# Altium PCB OpenMVX.pcbdoc
Units mil, origin at the board's own origin, x right, y up, seen from the top; angles counter-clockwise.
Board outline 1400 x 1750 mil, 2 copper layers (Top Layer, Bottom Layer); 59 components, 76 nets, 291 pads, 84 vias.
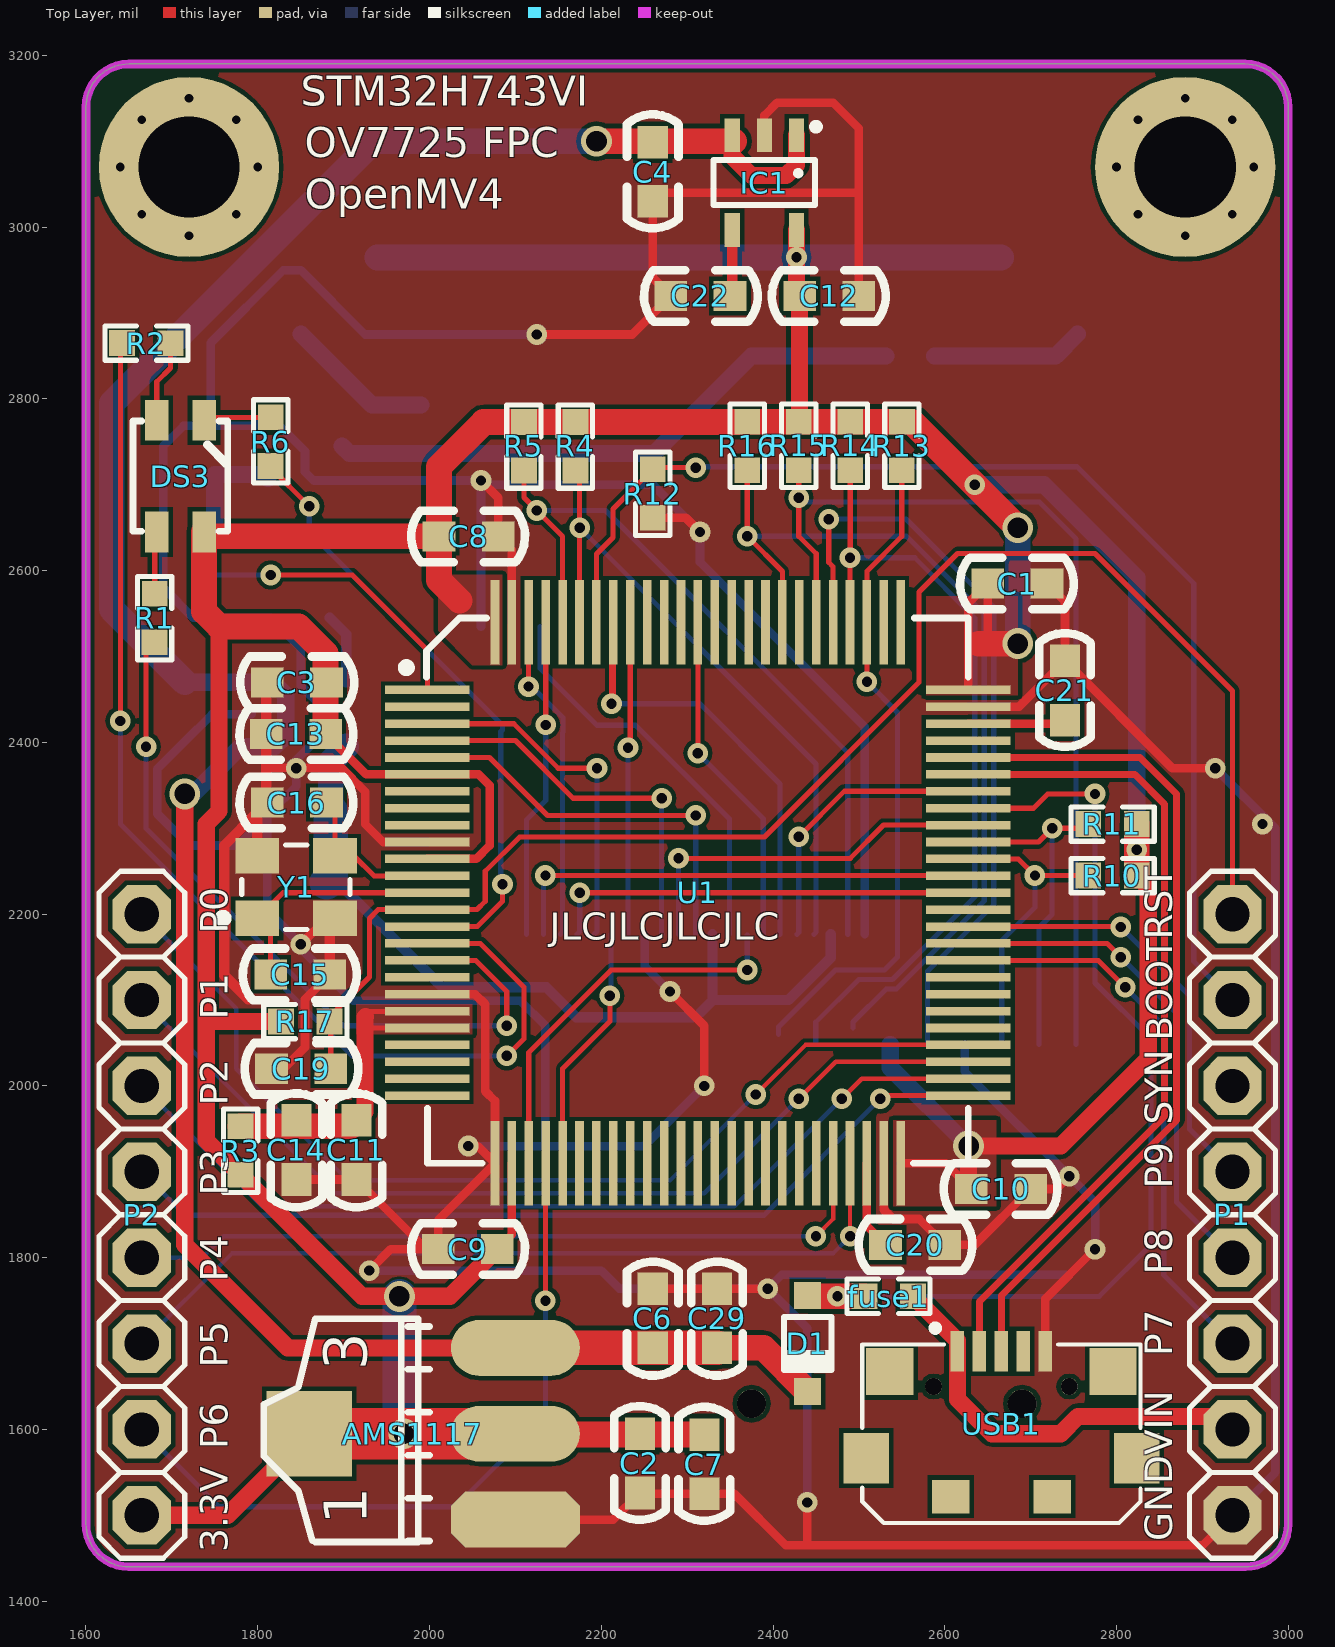
[diagram p0: Top Layer view]
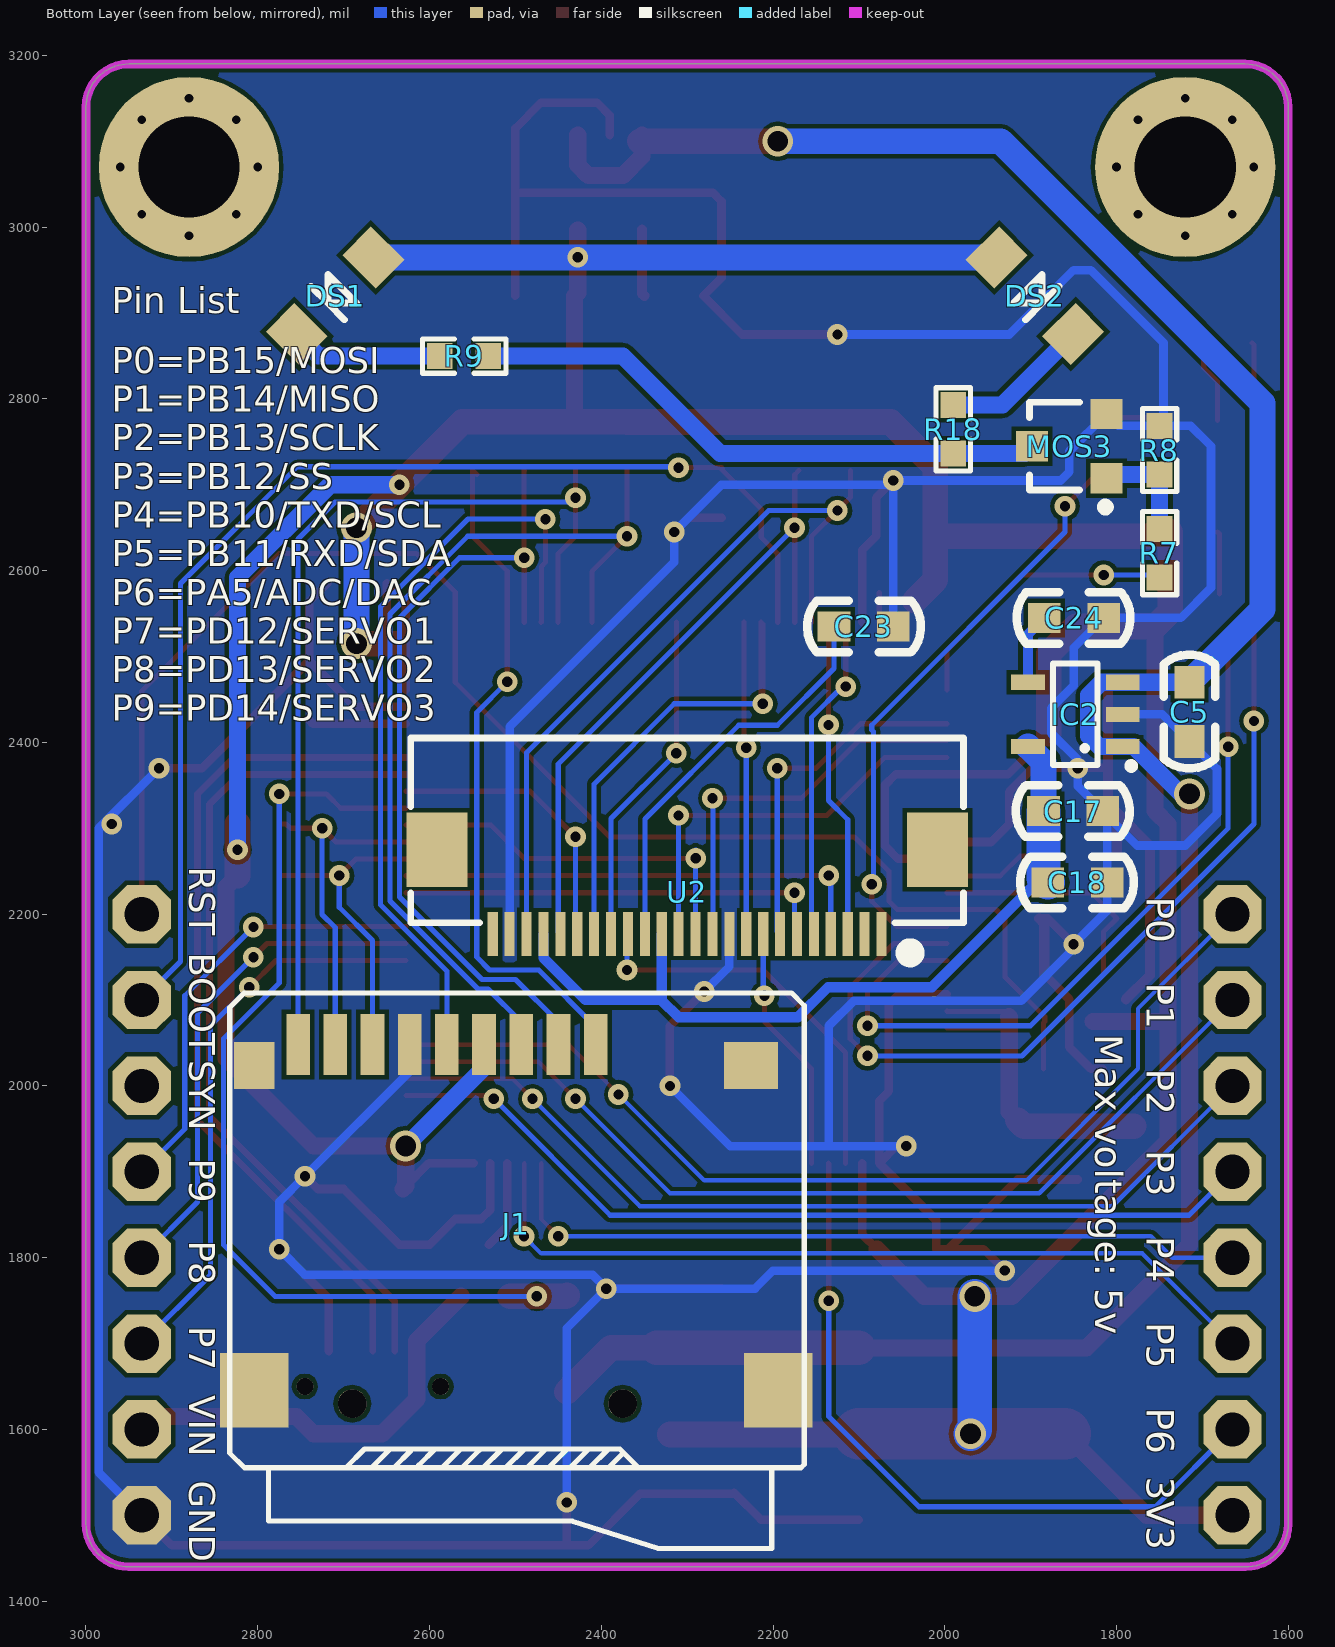
[diagram p1: Bottom Layer view, seen from below]
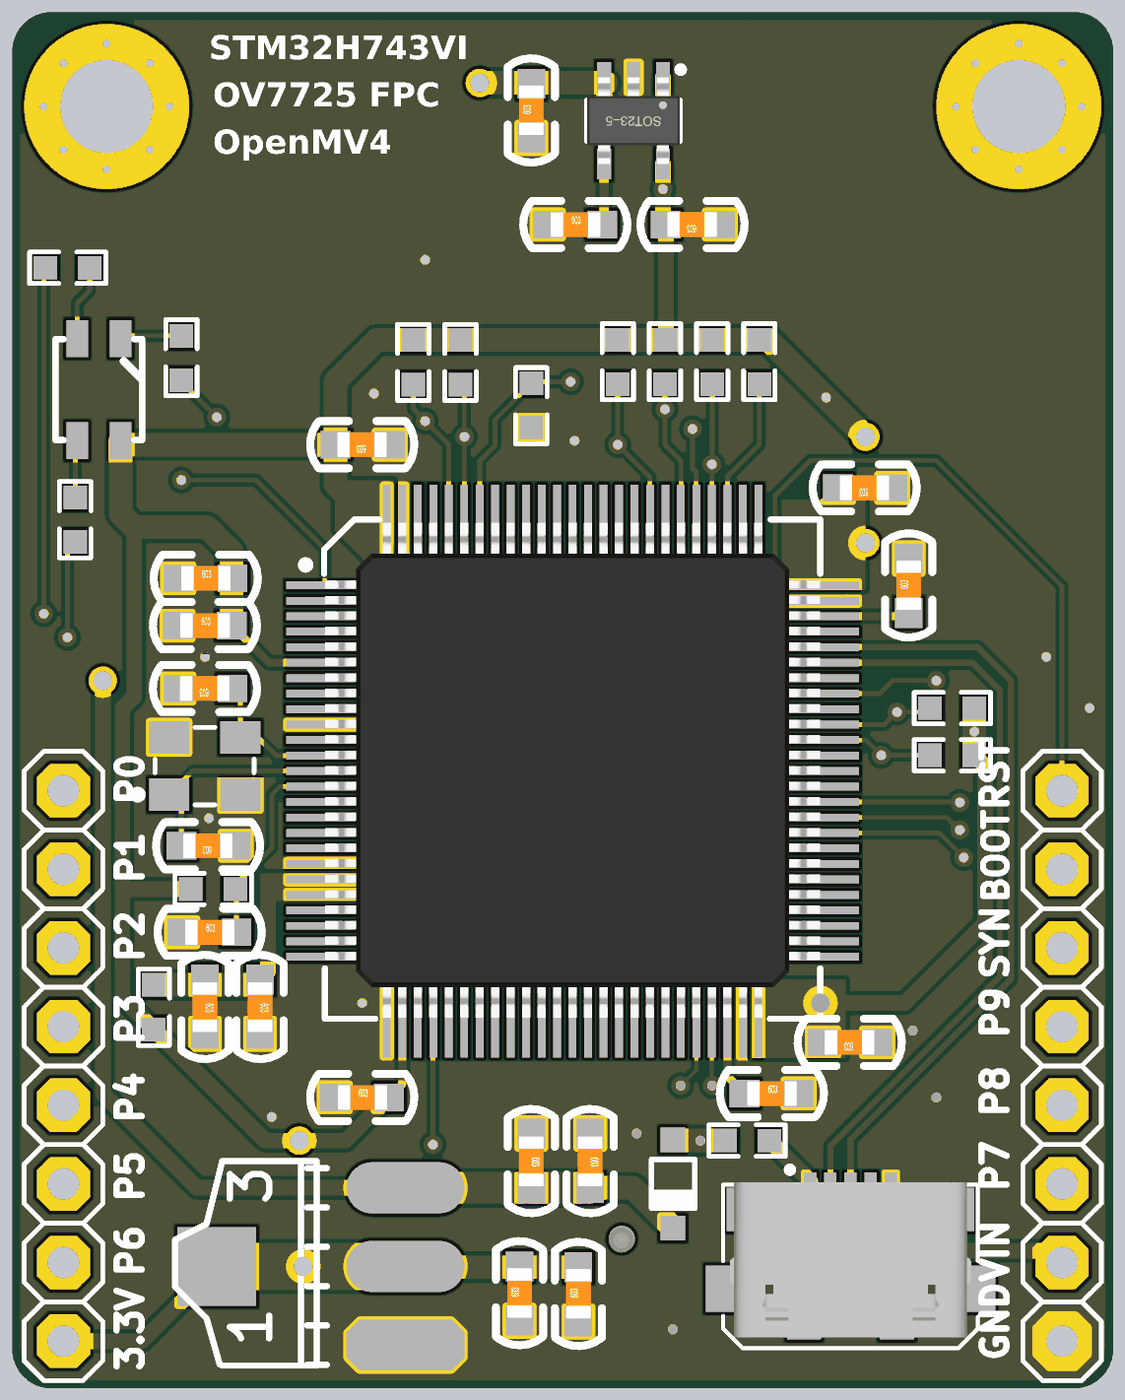
[diagram p2: 3D render of the assembled board from above, using the file's embedded part models]
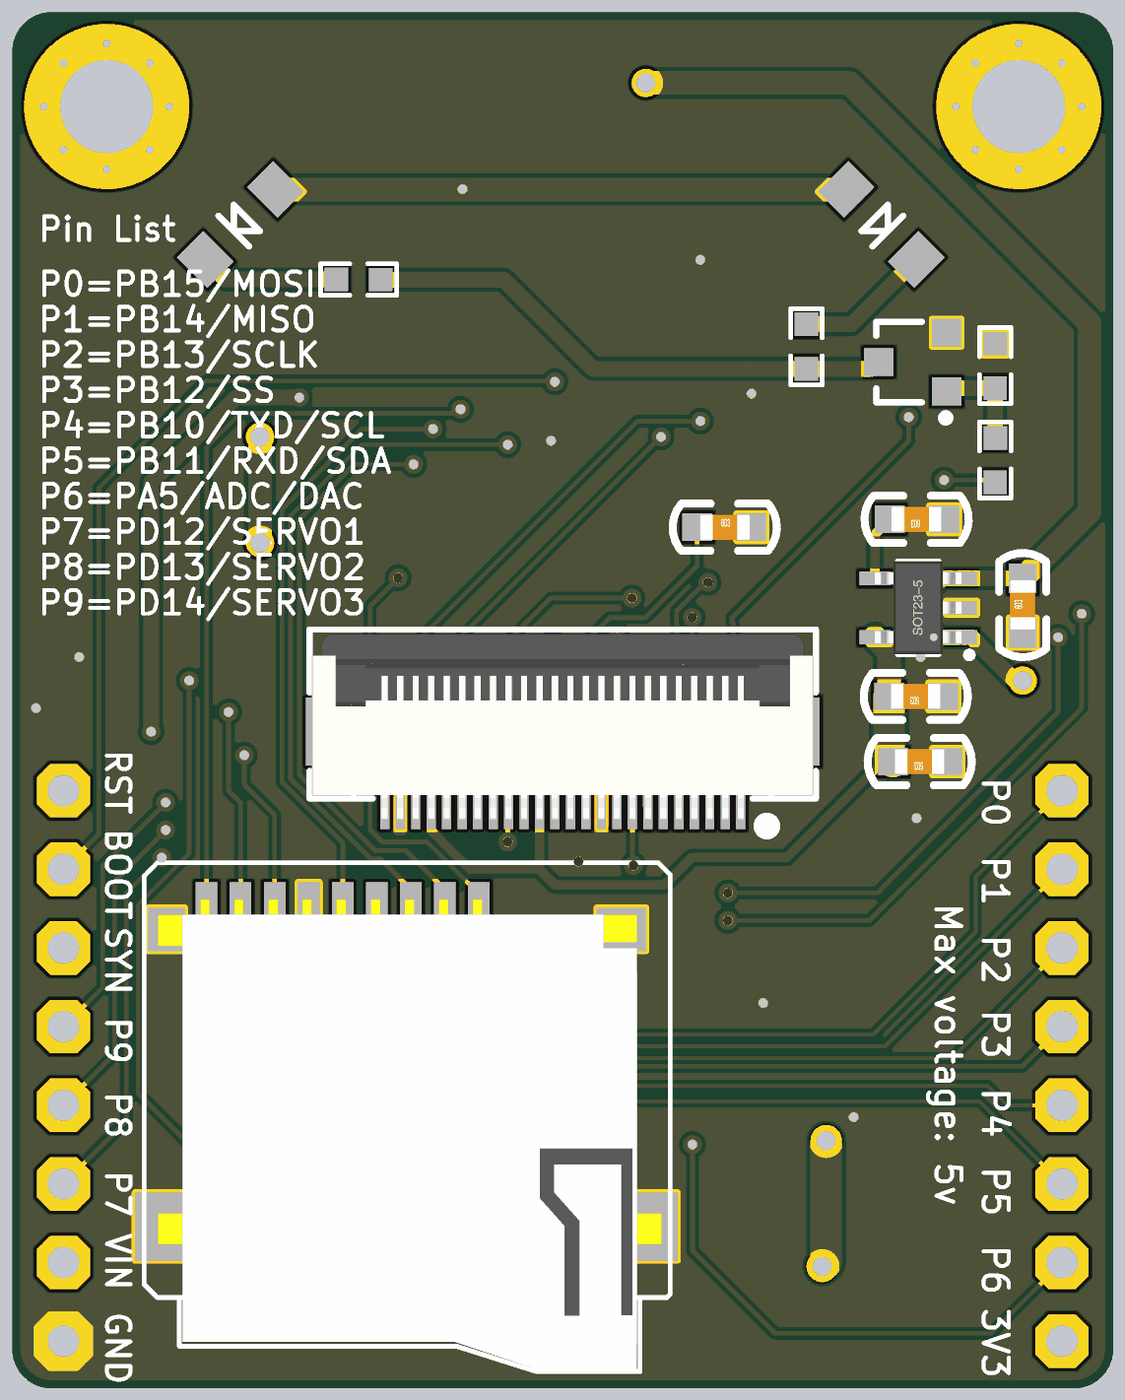
[diagram p3: 3D render of the assembled board from below, using the file's embedded part models]

## Layer stack, top to bottom
Top Solder: solder mask 0.4, Solder Resist, Dk 3.5
Top Layer: signal copper 1.4
Dielectric 1: dielectric 12.6, FR-4, Dk 4.8
Bottom Layer: signal copper 1.4
Bottom Solder: solder mask 0.4, Solder Resist, Dk 3.5

## Board outline
1600,1490 ccw(c1650,1490) 1650,1440 2950,1440 ccw(c2950,1490) 3000,1490 3000,3140 ccw(c2950,3140) 2950,3190 1650,3190 ccw(c1650,3140) 1600,3140

## Design rules (kind name [scope] priority, off if disabled: settings)
Clearance [All] p1: gap=5 ignorepadtopadclearanceinfootprint=FALSE except(0: Arc-Hole Track-Hole SMDPad-Hole THPad-Hole Via-Hole Fill-Hole Poly-Hole Region-Hole Text-Hole)
HoleSize [All] p1: absolutevalues=TRUE maxlimit=240 minlimit=1 maxpercent=80.000 minpercent=20.000
PolygonConnect [All] p1: connectstyle=Direct reliefconductorwidth=10 reliefentries=4 polygonreliefangle="90 Angle" airgapwidth=10
RoutingVias [All] p1: holewidth=12 width=24 viastyle="Through Hole" minholewidth=12 minwidth=24 maxholewidth=24 maxwidth=36
SolderMaskExpansion [All] p1: expansion=4
Width [All] p1: maxlimit=60 minlimit=5 preferedwidth=5
29 further rules are at their usual default settings.

## Classes and differential pairs
net class NewClass: GND

## Components (designator, comment, footprint, x,y, rotation, side; value= is the part's Value field where it differs from the comment)
AMS1117 "AMS1117-3.3" AMS1117 2099.94,1494.97 r90 top
C1 "104" C_0603 2719,2585 r180 top
C2 "10UF" C_0603 2245,1526 r90 top
C3 "10UF" C_0603 1811,2470 r0 top
C4 "10UF" C_0603 2260,3030 r90 top
C5 "1OUF" C_0603 1715,2401 r90 bottom
C6 "10UF" C_0603 2260,1764 r270 top
C7 "104" C_0603 2320,1525 r90 top
C8 "104" C_0603 2080,2640 r180 top
C9 "104" C_0603 2010,1810 r0 top
C10 "104" C_0603 2700,1880 r180 top
C11 "10UF" C_0603 1915,1960 r270 top
C12 "10UF" C_0603 2500,2920 r180 top
C13 "104" C_0603 1810,2410 r0 top
C14 "104" C_0603 1845,1960 r270 top
C15 "12PF" C_0603 1884,2130 r180 top
C16 "12PF" C_0603 1880,2330 r180 top
C17 "10UF" C_0603 1816,2320 r0 bottom
C18 "104" C_0603 1811,2236.93 r0 bottom
C19 "104" C_0603 1816,2020 r0 top
C20 "2.2UF" C_0603 2531,1815 r0 top
C21 "2.2UF" C_0603 2740,2426 r90 top
C22 "103" C_0603 2281,2920 r0 top
C23 "104" C_0603 2129,2535 r180 bottom
C24 "103" C_0603 1815,2545 r0 bottom
C29 "104" C_0603 2335,1764 r270 top
D1 "1N5819" SOD-323 2440,1700 r90 top
DS1 "LED" LED-1206 2710,2920 r315 bottom
DS2 "LED" LED-1206 1895,2920 r225 bottom
DS3 "3528 RGB LED" "3528/1210RGB LED" 1710,2710 r0 top
fuse1 "fuse0603" 0603P 2535,1755 r180 top
IC1 "XC6204B332MR" SOT23-5L 2390,3051.93 r180 top
IC2 "XC6204B332MR" SOT23-5L 1847.95,2432.6 r90 bottom
J1 "Micro SD" "Micro SD" 2804.17,1645.75 r180 bottom
MOS3 "AO3400" SOT-23 1850,2745 r90 bottom
P1 "Header 8" 1X08 2935,1850 r270 top
P2 "Header 8" 1X08 1665,1850 r270 top
R1 "220R" 0603P 1680,2545 r270 top
R2 "220R" 0603P 1670,2865 r0 top
R3 "0R" 0603P 1780,1925 r270 top
R4 "4K7" 0603P 2170,2745 r270 top
R5 "4K7" 0603P 2110,2745 r270 top
R6 "220R" 0603P 1815,2750 r90 top
R7 "220R" 0603P 1750,2620 r90 bottom
R8 "10K" 0603P 1750,2740 r90 bottom
R9 "10R" 0603P 2560,2850 r180 bottom
R10 "10K" 0603P 2795,2245 r0 top
R11 "10K" 0603P 2795,2305 r0 top
R12 "10K" 0603P 2260,2690 r270 top
R13 "10K" 0603P 2550,2745 r90 top
R14 "10K" 0603P 2490,2745 r90 top
R15 "10K" 0603P 2430,2745 r90 top
R16 "10K" 0603P 2370,2745 r90 top
R17 "10K" 0603P 1855,2075 r0 top
R18 "10R" 0603P 1990,2765 r270 bottom
U1 "STM32H743LQFP100" LQFP-100PIN 1997.56,2461.18 r0 top
U2 "OV7725_FPC" "FPC0.5 2H-WS-24P" 2300,2275 r0 bottom
USB1 "USB-5P" MICRO_USB 2666,1691 r0 top
Y1 "12Mhz" XTAL3225 1799.45,2195 r0 top

## Footprints (in the part's own frame and the unit in brackets; to place one, negate y for a bottom-side part, rotate by r counter-clockwise, add the part's x,y. Pads: shape width x height; smd on the part's side, far side on the other; paste and mask are expansions set on the pad)
1X08 [mil]
  oct 68x68 hole 40: 1(-350,0) 2(-250,0) 3(-150,0) 4(-50,0) 5(50,0) 6(150,0) 7(250,0) 8(350,0)
  silkscreen extent -400,-50 400,50
0603P [mil]
  rect 30x30 smd: 1(-28,0) 2(28.5,-0.06)
  silkscreen extent -48,-20 49,20
"3528/1210RGB LED" [mm]
  rect 0.7x1.2 smd: 1(0.7,1.65) 2(0.7,-1.65) 3(-0.7,-1.65) 4(-0.7,1.65)
  silkscreen extent -1.4,-1.63 1.4,1.63
AMS1117 [mil]
  oct 65x150 smd: 1(0.03,-0.06)
  oval 65x150 smd: 2(100.03,-0.06) 3(200.03,-0.06)
  rect 100x100 smd: 4(100.03,239.94)
  silkscreen extent -26,100 234,293
C_0603 [mil]
  rect 38x35 smd: 1(0,0) 2(69,0)
  silkscreen extent -31,-30 101,30, body extent 4,-16 67,16, height 12
"FPC0.5 2H-WS-24P" [mm] "长：16.2mm，宽：5.2mm，高：2mm"
  rect 1.8x2.2 smd: 0(-7.4,0) 0(7.4,0)
  rect 0.3x1.3 smd: 1(-5.75,2.497) 2(-5.25,2.497) 3(-4.75,2.497) 4(-4.25,2.497) 5(-3.75,2.497) 6(-3.25,2.497) 7(-2.75,2.497) 8(-2.25,2.497) 9(-1.75,2.497) 10(-1.25,2.497) 11(-0.75,2.497) 12(-0.25,2.497) 13(0.25,2.497) 14(0.75,2.497) 15(1.25,2.497) 16(1.75,2.497) 17(2.25,2.497) 18(2.75,2.497) 19(3.25,2.497) 20(3.75,2.497) 21(4.25,2.497) 22(4.75,2.497) 23(5.25,2.497) 24(5.75,2.497)
  silkscreen extent -8.18,-3.3 8.18,3.23, body extent -8.1,-3.15 8.1,2.85, height 2
LED-1206 [mm]
  rect 1.2x1.4 smd: 1(-1.6,0) 2(1.6,0)
  silkscreen extent -0.3,-0.7 0.3,0.7
LQFP-100PIN [mm]
  rect 2.5x0.254 smd: 1(0,0) 2(0,-0.5) 3(0,-1) 4(0,-1.5) 5(0,-2) 6(0,-2.5) 7(0,-3) 8(0,-3.5) 9(0,-4) 10(0,-4.5) 11(0,-5) 12(0,-5.5) 13(0,-6) 14(0,-6.5) 15(0,-7) 16(0,-7.5) 17(0,-8) 18(0,-8.5) 19(0,-9) 20(0,-9.5) 21(0,-10) 22(0,-10.5) 23(0,-11) 24(0,-11.5) 25(0,-12) 51(16,-12) 52(16,-11.5) 53(16,-11) 54(16,-10.5) 55(16,-10) 56(16,-9.5) 57(16,-9) 58(16,-8.5) 59(16,-8) 60(16,-7.5) 61(16,-7) 62(16,-6.5) 63(16,-6) 64(16,-5.5) 65(16,-5) 66(16,-4.5) 67(16,-4) 68(16,-3.5) 69(16,-3) 70(16,-2.5) 71(16,-2) 72(16,-1.5) 73(16,-1) 74(16,-0.5) 75(16,0)
  rect 0.254x2.5 smd: 26(2,-14) 27(2.5,-14) 28(3,-14) 29(3.5,-14) 30(4,-14) 31(4.5,-14) 32(5,-14) 33(5.5,-14) 34(6,-14) 35(6.5,-14) 36(7,-14) 37(7.5,-14) 38(8,-14) 39(8.5,-14) 40(9,-14) 41(9.5,-14) 42(10,-14) 43(10.5,-14) 44(11,-14) 45(11.5,-14) 46(12,-14) 47(12.5,-14) 48(13,-14) 49(13.5,-14) 50(14,-14) 76(14,2) 77(13.5,2) 78(13,2) 79(12.5,2) 80(12,2) 81(11.5,2) 82(11,2) 83(10.5,2) 84(10,2) 85(9.5,2) 86(9,2) 87(8.5,2) 88(8,2) 89(7.5,2) 90(7,2) 91(6.5,2) 92(6,2) 93(5.5,2) 94(5,2) 95(4.5,2) 96(4,2) 97(3.5,2) 98(3,2) 99(2.5,2) 100(2,2)
  silkscreen extent -0.75,-14 16,2.12, body extent 0,-13.97 16,2.03, height 1.6
"Micro SD" [mm]
  round 0.85 hole 0.85 unplated: 0(2.9,-0.4) 0(10.9,-0.4)
  rect 0.7x1.8 smd: 1(10.1,10.227) 2(9,10.227) 3(7.9,10.227) 4(6.8,10.227) 5(5.7,10.227) 6(4.6,10.227) 7(3.5,10.227) 8(2.4,10.227) 9(1.3,10.227)
  rect 2.032x2.2 smd: 6(0,0) 6(15.5,0)
  rect 1.2x1.4 smd: 6(0,9.6)
  rect 1.6x1.4 smd: 6(14.7,9.6)
  silkscreen extent -0.72,-4.68 16.27,11.75, body extent -0.27,-4.63 16,10.57, height 1.8
MICRO_USB [mm]
  rect 1.35x1.5 smd: 0(-4,-3.16) 0(4,-3.16)
  rect 1.4x1.4 smd: 0(-3.3,-0.6) 0(3.3,-0.6)
  round 0.5 hole 0.5 paste+0 mask+0: 0(-2.007,-1.041) 0(2.007,-1.041)
  rect 1.1x1 smd: 0(-1.5,-4.3) 0(1.5,-4.3)
  rect 0.4x1.2 smd: 1(-1.3,0) 2(-0.65,0) 3(0,0) 4(0.65,0) 5(1.3,0)
  silkscreen extent -4.11,-5.08 4.11,0.79, body extent -3.9,-4.72 3.9,0.28, height 2.83
SOD-323 [mm]
  rect 0.8x0.8 smd: 1(1.422,0) 2(-1.422,0)
  silkscreen extent -0.79,-0.74 0.79,0.69
SOT23-5L [mm]
  rect 0.45x1 smd: 1(-0.95,-1.4) 2(0,-1.4) 3(0.95,-1.4) 4(0.95,1.4) 5(-0.95,1.4)
  silkscreen extent -1.6,-1.73 1.5,0.66, body extent -1.5,-1.4 1.5,1.4, height 1.15
SOT-23 [mm] "SOT-23; 3 Leads; Body 3.0 x 2.5 mm, inc. leads (LxW max)"
  rect 0.9x0.95 smd: 1(-0.95,-0.972) 2(0.95,-0.972) 3(0,1.226)
  silkscreen extent -1.93,-1.06 1.3,1.3
XTAL3225 [mm]
  rect 1.3x1.05 smd: 1(0,0) 2(2.3,0) 3(2.3,1.85) 4(0,1.85)
  silkscreen extent -1.14,-0.33 2.74,2.17

## Part data
AMS1117: library part AMS1117
C1 C2 C3 C4 C5 C6 C7 C8 C9 C10 C11 C12 C13 C14 C15 C16 C17 C18 C19 C20 C21 C22 C23 C24 C29: library part C_0603
D1: library part D
DS3: library part "3528RGB LED"
fuse1: library part FUSE
IC1 IC2: library part "LDO XC6204", "LDO"
J1: "Micro SD卡"
MOS3: library part MOS-N, "AO3400A"
P1 P2: "Header, 8-Pin"
R1 R2 R3 R4 R5 R6 R7 R8 R9 R10 R11 R12 R13 R14 R15 R16 R17 R18: library part R
U2: library part "OV7725 FPC 24P 0.5MM"
USB1: "微型USB母座"
Y1: library part XTAL_3225, "3225贴片无源晶振"

## Free pads (board coordinates)
  round 210 hole 118.11: 0(1720,3070) 0(2880,3070)

## Via types
v1: diameter 24, hole 12, Top Layer to Bottom Layer, tented both sides, 61 vias
v2: diameter 18, hole 10, Top Layer to Bottom Layer, 16 vias
v3: diameter 36, hole 24, Top Layer to Bottom Layer, 7 vias

## Nets (pads, with @x,y where several pads share a name; then routed paths per layer and width w, separated by ;. In a path a pad name is that pad's centre, name@x,y a point inside that pad or via, vN(x,y) a via of type N, cw(c..) or ccw(c..) an arc to the next point about the centre after c; other vN are vias at no path point)
3V3: AMS1117.2 AMS1117.4 C1.2 C2.2 C3.2 C7.2 C8.2 C9.2 C10.2 C12.2 C13.2 DS1.1 DS2.1 DS3.2 IC1.5 J1.4 P2.8 R3.2 R4.1 R5.1 R10.2 R11.2 R13.2 R14.2 R15.2 R16.2 R17.1 U1.6 U1.11 U1.27 U1.50 U1.75 U1.100 | length 6735.1
  Top Layer w6: U1.100 U1.100@2076.3,2574.7
  Top Layer w10: C13.2 1926.24,2362.76 U1.6 2057.24,2362.76 2070,2350 2070,2280 2054.33,2264.33 U1.11 ; C9.2 2095.98,1826.98 U1.27 ; U1.50 2601,1910 C10.2@2627.72,1883.28 ; U1.75 2627.48,2562.48 C1.2 2650,2520
  Top Layer w20: P2.8 1765,1500 AMS1117.4 ; 1755,2535 1755,2320 1740,2305 1740,2075 ; R17.1 1740,2075 ; C9.2 2024,1755 v3(1965,1755) 1921.44,1755 R3.2 1740,1936.44 1740,2075 ; IC1.5 v1(2427.4,2965) 2427.4,2923.6 C12.2 2431,2774.44 R15.2 ; C10.2 2627.72,1883.28 v3(2627.72,1930) 2735,1930 2837,2032 2837,2231.44 R10.2
  Top Layer w30: DS3.2 DS3.2@1737.56,2644.16 ; C13.2 1879,2503.6 1847.6,2535 1755,2535 1737.56,2552.44 DS3.2@1737.56,2644.16 ; 2035,2565 2011,2589 C8.2 ; AMS1117.2 2101,1594 C7.2 ; 2640,2515 v3(2685,2515) ; v3(2685,2650) v1(2635,2700) 2561.5,2773.5 R13.2 R14.2 R15.2 R16.2 2369.56,2773 R4.1 R5.1 2063,2773 2011,2721 C8.2 ; R10.2 v1(2823.5,2275) R11.2 ; DS3.2@1737.56,2644.16 1741.72,2640 C8.2
  Top Layer w60: AMS1117.4 v3(1970,1595) AMS1117.2
  Bottom Layer w20: J1.4 2536.46,2021.27 v3(2627.72,1930) ; v1(2635,2700) 2715.46,2700 2823.5,2591.96 v1(2823.5,2275)
  Bottom Layer w30: DS2.1 DS1.1 ; v3(2685,2515) v3(2685,2650)
  Bottom Layer w40: v3(1965,1755) 1965,1600 v3(1970,1595)
3V3_OV: C17.2 C18.2 IC2.5 U2.14 U2.21 | length 953.1
  Bottom Layer w12: C18.2 1893.07,2236.93 2015,2115 2135.95,2115 2170.95,2080 2310,2080 2330,2100 ; U2.14 2329.53,2100.47 2330,2100 ; U2.21 2467.32,2149.33 2418,2100 2330,2100
  Bottom Layer w30: C17.2 1885,2377.13 IC2.5
  Bottom Layer w40: C18.2 1885,2241.93 C17.2
5V_IN: fuse1.1 P1.7 USB1.1 | length 492.6
  Top Layer w20: fuse1.1 2614.82,1703.18 USB1.1 2614.82,1635.18 2655,1595 2735,1595 2755,1615 2920,1615 P1.7
5V_VCC: AMS1117.3 C4.2 C5.2 C6.2 C29.2 D1.2 IC1.1 IC1.3 IC2.1 IC2.3 | length 2997.7
  Top Layer w20: v3(1715,2340) 1715,1815 1835,1695 AMS1117.3 ; IC1.3 2352.6,3100 2352.6,3082.4 2375,3060 2415,3060 2427.4,3072.4 IC1.1
  Top Layer w30: v3(2194.45,3100) 2352.6,3100 IC1.3@2355,3100 ; C29.2 2389,1695 D1.2
  Top Layer w40: AMS1117.3 C6.2 C29.2
  Bottom Layer w20: v3(1715,2340) 1725,2340 1780.2,2395.2 IC2.1 1820.2,2395.2 1832.6,2407.6 1832.6,2455 1817.6,2470 IC2.3 C5.2
  Bottom Layer w30: C5.2 1630,2555 1630,2795 1935,3100 v3(2194.45,3100)
BOOT0: P1.2 R12.1 U1.94 | length 1397
  Top Layer w6: U1.94 2194.41,2619.41 2213.7,2638.7 2213.7,2671.7 R12.1 ; R12.1@2259,2719 2260,2720 v1(2310,2720)
  Bottom Layer w6: v1(2310,2720) 2311,2721 2754,2721 2890,2585 2890,2145 P1.2
DAC: P2.7 U1.29 | length 845.9
  Top Layer w6: v1(2135,1750) 2135,1909.65 U1.29
  Bottom Layer w6: P2.7 1755,1510 2030,1510 2135,1615 v1(2135,1750)
DCMI_CLK: U1.67 U2.12 | length 461.6
  Top Layer w6: v1(2290,2265) 2490,2265 2528.7,2303.7 U1.67
  Bottom Layer w6: v1(2290,2265) 2290,2274.69 2290.16,2274.84 U2.12
DCMI_D0: U1.63 U2.6 | length 502
  Top Layer w6: v1(2175,2225) v1(2175,2225) U1.63
  Bottom Layer w6: U2.6 2175,2179.65 v1(2175,2225)
DCMI_D1: U1.64 U2.4 | length 561.9
  Top Layer w6: v1(2135,2245) 2627.13,2245 U1.64
  Bottom Layer w6: U2.4 2132.68,2242.68 v1(2135,2245)
DCMI_D2: U1.97 U2.3 | length 372.5
  Top Layer w6: v1(2135.35,2420.35) U1.97
  Bottom Layer w6: U2.3 2112.99,2310 2135.35,2332.36 v1(2135.35,2420.35)
DCMI_D3: U1.98 U2.5 | length 383.3
  Top Layer w6: v1(2115.35,2465) 2115.35,2539.61 U1.98
  Bottom Layer w6: v1(2115.35,2465) 2118.99,2465 2155.35,2428.64 2155.35,2412.07 2155,2411.72 2155,2179.33 U2.5
DCMI_D4: U1.3 U2.7 | length 413.6
  Top Layer w6: U1.3 2098.19,2421.81 2150,2370 v1(2195,2370)
  Bottom Layer w6: U2.7 2195,2179.96 v1(2195,2370)
DCMI_D5: U1.92 U2.9 | length 364.3
  Top Layer w6: v1(2231.1,2393.9) 2233.78,2396.58 U1.92
  Bottom Layer w6: U2.9 v1(2231.1,2393.9)
DCMI_D6: U1.4 U2.11 | length 459.4
  Top Layer w6: U1.4 2100,2402.13 2167.13,2335 v1(2270.47,2335)
  Bottom Layer w6: U2.11 2270,2177.17 2270,2334.53 v1(2270.47,2335)
DCMI_D7: U1.5 U2.13 | length 478.7
  Top Layer w6: U1.5 2069.98,2382.44 2137.42,2315 v1(2310,2315)
  Bottom Layer w6: U2.13 2310,2176.85 v1(2310,2315)
DCMI_FSIN: P1.3
DCMI_HSYNC: U1.28 U2.16 | length 463.7
  Top Layer w6: U1.28 2115.67,2038.95 2211.72,2135 v1(2370,2135)
  Bottom Layer w6: v1(2370,2135) U2.16@2370,2175.59
DCMI_PCLK: U1.30 U2.8 | length 289.5
  Top Layer w6: U1.30 2155.04,2020.04 2210,2075 v1(2210,2105)
  Bottom Layer w6: v1@2211.42,2105 U2.8
DCMI_PWDN: U1.88 U2.17 | length 394.7
  Top Layer w6: v1(2312.52,2387.48) U1.88
  Bottom Layer w6: v1(2312.52,2387.48) 2388.58,2311.42 U2.17
DCMI_RST: U1.69 U2.19 | length 333.6
  Top Layer w6: v1(2430,2290) 2483.07,2343.07 U1.69
  Bottom Layer w6: U2.19 2430,2178.74 v1(2430,2290)
DCMI_VSYNC: U1.93 U2.18 | length 602.3
  Top Layer w6: v1@2210,2445 v1@2212,2447 ; v1(2212,2445) v1@2212,2447 ; v1@2212,2447 2212,2537.83 U1.93 2214.09,2449.09 v1@2212,2447
  Bottom Layer w6: v1(2212,2445) 2315,2445 2408.27,2351.73 U2.18
EXPST: U1.55
FREX: U1.56
FS_DM: U1.70 USB1.2 | length 969.2
  Top Layer w8: U1.70 2821.24,2362.76 2856,2328 2856,1964.38 2640.41,1748.79 USB1.2
FS_DP: U1.71 USB1.3 | length 993.6
  Top Layer w8: U1.71 2827.56,2382.44 2870,2340 2870,1960 2666,1756 USB1.3
GND: AMS1117.1 C1.1 C2.1 C3.1 C4.1 C5.1 C6.1 C7.1 C8.1 C9.1 C10.1 C11.2 C12.1 C13.1 C14.2 C15.1 C16.2 C17.1 C18.1 C19.1 C20.2 C21.2 C22.1 C23.2 C24.1 C29.1 IC1.2 IC2.2 J1.6 MOS3.2 P1.8 R8.2 R12.2 U1.10 U1.19 U1.26 U1.49 U1.74 U1.99 U2.10 U2.23 USB1.5 Y1.2 Y1.4 | length 11200.3
  Top Layer w10: 1810,2370.5 1897.29,2370.5 1925,2342.79 1925,2305 1945.98,2284.02 U1.10 ; C19.1 1830,2020 1855,2045 1855,2101 C15.1 ; C14.2 C11.2 C9.1@1996,1810 ; v1(1850,2165) 1880,2195 Y1.2 ; v1(1930,1785) 1955,1810 C9.1@1996,1810 ; U1.19 2053.15,2106.85 2065,2095 2065,1993.89 2076.3,1982.59 U1.26 ; v1(2045,1930) 2056.3,1930 U1.26 ; v1(2060,2705) 2080,2685 C8.1 2095.98,2624.02 U1.99 ; AMS1117.1 2214,1495 C2.1 2246,1525 C7.1 2355,1525 2415,1465 2440,1465 ; v1(2125,2875) 2236,2875 C22.1 2260,2941 C4.1 2270,3040 2500,3040 ; R12.2 2298.5,2661.5 v1(2315,2645) ; C6.1 C29.1 v1(2394,1764) ; v1(2280,2110) 2320,2070 v1(2320,2000) ; IC1.2 2390,3130 2405,3145 2470,3145 2500,3115 2500,3040 ; v1(2440,1515) 2440,1465 ; C12.1 2500,3040 ; U1.49 2529.06,1855.94 2540,1845 2570,1845 C20.2 2635,1815 C10.1 2730,1880 v1(2745,1895) ; U1.74 2686.5,2441.5 C21.2 ; USB1.5 2717.18,1752.18 v1(2775,1810) ; C1.1 2740,2564 C21.2 ; v1(2915,2370) 2865,2370 C21.2 ; P1.8 2900,1465 2440,1465 ; C9.1@1996,1810 C9.1 2010,1843.7 U1.26
  Top Layer w12: 1789,2101 1761,2129 1761,2280 C16.2@1799.45,2318.45 ; Y1.4 C16.2@1799.45,2318.45 ; C3.1 1810,2469 C13.1 1810,2370.5 1810,2331 C16.2 C16.2@1799.45,2318.45 ; C15.1 1884,2189 Y1.2
  Bottom Layer w10: IC2.2 1746.6,2432.6 C5.1 1683,2369 1683,2317 1720,2280 1776,2280 C17.1@1811,2315 ; v1(1930,1785) 2200,1785 2221,1764 v1(2394,1764) ; v1(2045,1930) 2135,1930 ; C23.2 2060,2700 v1(2060,2705) ; v1(2125,2875) 1925,2875 1850,2950 1830,2950 1745.29,2865.29 1745.29,2773.15 R8.2 ; U2.10 2250.79,2139.21 v1(2280,2110) ; v1(2320,2000) 2250,1930 2135,1930 ; v1(2440,1515) 2440,1718 v1(2394,1764) ; U2.23 2506.69,2418.31 2315,2610 v1(2315,2645) 2260,2700 2065,2700 v1(2060,2705) ; J1.6@2623.07,2048.39 2623.07,2016.93 v1(2745,1895) 2775,1865 v1(2775,1810) 2745,1780 2410,1780 v1(2394,1764) ; v1(2915,2370) 2985,2300 2985,1550 P1.8 ; R8.2 1745.29,2768.5 1713.5,2768.5 1690,2745 1690,2580 1725,2545 C24.1 1850,2510 1850,2465.88 1875.88,2440 1875.88,2410.69 1845,2379.81 v1(1845,2370) 1845,2349 C17.1 C17.1@1811,2315 ; R8.2 1797.84,2768.5 MOS3.2 1855,2739.14 1855,2715 1865,2705 v1(2060,2705) ; C17.1@1811,2315 C18.1 1811,2204 v1(1850,2165) 1850,2160 1911,2099 2106,2099 2135,2070 2135,1930
  other v1: 2970,2305
GPIO1: U1.84
GPIO2: U1.85
GPIO3: U1.82
I2C1_SCL: R4.2 U1.95 U2.20 | length 766.8
  Top Layer w6: R4.2 2174.72,2711.71 U1.95
  Bottom Layer w6: v1(2175,2650) 2450,2375 2450,2179.06 U2.20
I2C1_SDA: R5.2 U1.96 U2.22 | length 885.4
  Top Layer w6: R5.2 2109.94,2685.06 v1(2125,2670) 2155.04,2639.96 U1.96
  Bottom Layer w6: v1(2125,2670) 2205,2670 2487.01,2387.99 U2.22
I2C2_SCL: P2.5 U1.46 | length 888.6
  Top Layer w5: v1(2450,1825) 2470,1845 U1.46
  Bottom Layer w5: P2.5 1735,1800 1760,1825 v1(2450,1825)
I2C2_SDA: P2.6 U1.47 | length 962.5
  Top Layer w5: U1.47 2489.69,1824.69 v1(2490,1825)
  Bottom Layer w5: P2.6 1770,1805 2470,1805 v1(2490,1825)
LED_B: R1.2 U1.17 | length 883.3
  Top Layer w6: v1(1670,2395) 1670,2506.56 R1.2 ; U1.17 2053.78,2146.22 2090,2110 v1(2090,2070)
  Bottom Layer w6: v1(1670,2395) 1670,2300 1900,2070 v1(2090,2070)
LED_G: R2.1 U1.16 | length 1344.5
  Top Layer w6: v1(1640,2425) 1640,2863 R2.1 ; U1.16 2059.09,2165.91 2110,2115 2110,2055 v1(2090,2035)
  Bottom Layer w6: v1(1640,2425) 1640,2305 1910,2035 v1(2090,2035)
LED_IR: R7.1 U1.1 | length 330.1
  Top Layer w6: v1(1815,2595) 1910,2595 1997.56,2507.44 U1.1
  Bottom Layer w6: R7.1@1750,2595 v1(1815,2595)
LED_R: R6.1 U1.15 | length 720.1
  Top Layer w6: R6.1 1815,2720 v1(1860,2675) ; U1.15 2055.59,2185.59 2085,2215 v1(2085,2235)
  Bottom Layer w6: v1(1860,2675) 1860,2645 2085,2420 2085,2414.4 2083,2412.4 2083,2237 v1(2085,2235)
NetC11_1: C11.1 C14.1 R3.1 U1.20 U1.21 | length 410.1
  Top Layer w6: 1925,2067.48 U1.21 ; 1925.45,2080.45 1931.85,2086.85 1997.24,2086.85 U1.20
  Top Layer w20: C11.1 1925,1970 1925,2067.48 1925,2080 1925.45,2080.45
  Top Layer w30: R3.1 1908,1953 C11.1
NetC15_2: C15.2 U1.13 Y1.1 | length 282
  Top Layer w6: C15.2 1815,2179.45 Y1.1 1829.41,2224.96 U1.13
NetC16_1: C16.1 U1.12 Y1.3 | length 183.5
  Top Layer w6: C16.1 1890,2320 Y1.3 1912.17,2267.83 1935.35,2244.65 U1.12
NetC20_1: C20.1 U1.48 | length 104
  Top Layer w10: U1.48 2509.37,1836.74 2531,1815.11 C20.1
NetC21_1: C21.1 U1.73 | length 114.3
  Top Layer w10: U1.73 2735.81,2421.81 C21.1
NetC22_2: C22.2 IC1.4 | length 77.9
  Top Layer w12: C22.2 2352.6,2922.6 IC1.4
NetC23_1: C23.1 U2.15 | length 475.9
  Bottom Layer w6: C23.1 2129,2486 2195,2420 2240,2420 2349.21,2310.79 U2.15
NetC24_2: C24.2 IC2.4 | length 82.9
  Bottom Layer w12: C24.2 1903.07,2525.93 IC2.4
NetDS1_2: DS1.2 R9.1 | length 177.1
  Bottom Layer w20: R9.1 2729.08,2850 DS1.2
NetDS2_2: DS2.2 R18.1 | length 173.7
  Bottom Layer w20: DS2.2 1932.92,2793 R18.1
NetDS3_1: DS3.1 R6.2 | length 79
  Top Layer w6: DS3.1 1741.1,2778.5 R6.2
NetDS3_3: DS3.3 R1.1 | length 73.1
  Top Layer w6: R1.1 1680,2642.6 DS3.3
NetDS3_4: DS3.4 R2.2 | length 103.7
  Top Layer w6: DS3.4 1682.44,2820 1698.5,2836.06 R2.2@1698.5,2859.94 ; R2.2 R2.2@1698.5,2859.94 ; R2.2@1703.5,2864.94 R2.2@1698.5,2859.94
NetMOS3_1: MOS3.1 R7.2 R8.1 | length 127.1
  Bottom Layer w20: R7.2 1750,2648.56 R8.1 1807.34,2712 MOS3.1
NetMOS3_3: MOS3.3 R9.2 R18.2 | length 683.7
  Bottom Layer w20: MOS3.3 1906.76,2736.5 R18.2 2261.5,2736.5 2374.94,2849.94 R9.2
NRST: C19.2 P1.1 R17.2 U1.14 | length 1784.2
  Top Layer w6: C19.2 1885,2073.44 R17.2 1883.5,2080.48 1930,2126.99 1930,2195 1940.28,2205.28 U1.14 2055.28,2205.28 2065,2215 2065,2250 2105,2290 2390,2290 2570,2470 2570,2575 2615,2620 2775,2620 2935,2460 P1.1
SD_CD: J1.9 R15.1 U1.81 | length 1162
  Top Layer w6: R15.1 v1(2430,2685) ; U1.81 2450.32,2619.68 2430,2640 ; 2430,2640 v1(2430,2685) ; 2430,2640 v1(2430,2685)
  Bottom Layer w6: v1(2430,2685) 2435,2680 2710,2680 2752.99,2637.01 J1.9
SDIO_CLK: J1.5 U1.80 | length 898
  Top Layer w6: v1(2465,2660) 2465,2609.69 2469.69,2605 2469.69,2540.24 U1.80
  Bottom Layer w6: v1(2465,2660) 2555,2660 2657,2558 2657,2210.89 2579.76,2133.65 J1.5
SDIO_CMD: J1.3 R16.1 U1.83 | length 1060
  Top Layer w6: R16.1 v1(2370,2640) 2410.95,2599.05 U1.83
  Bottom Layer w6: v1(2370,2640) 2555.56,2640 2646,2549.56 2646,2215.44 2543.56,2113 2531.78,2113 2493.15,2074.37 J1.3@2493.15,2067.27
SDIO_D0: J1.7 R10.1 U1.65 | length 365.1
  Top Layer w6: U1.65 2685.67,2264.33 v1(2705,2245) R10.1 R10.1@2772,2245
  Bottom Layer w6: J1.7 2666.38,2169.38 2705,2208 v1(2705,2245)
SDIO_D1: J1.8 R11.1 U1.66 | length 411.2
  Top Layer w6: U1.66 2709.02,2284.02 v1(2725,2300) 2762,2300 R11.1 R11.1@2772,2305
  Bottom Layer w6: J1.8 2709.68,2184.4 2725,2199.72 v1(2725,2300)
SDIO_D2: J1.1 R13.1 U1.78 | length 786.5
  Top Layer w6: v1(2509.37,2470.63) U1.78 2509.37,2599.37 2550,2640 R13.1 R13.1@2545,2712
  Bottom Layer w6: J1.1@2406.54,2060 2406.54,2068.74 2472.8,2135 2530,2135 2545,2150 2545,2435 v1(2509.37,2470.63)
SDIO_D3: J1.2 R14.1 U1.79 | length 948.3
  Top Layer w6: U1.79 v1(2489.69,2615) 2490,2615.31 R14.1 R14.1@2489.69,2716.69
  Bottom Layer w6: J1.2 2449.84,2074.11 2499.73,2124 2539,2124 2635,2220 2635,2545 2565,2615 v1(2489.69,2615)
SPI2_MISO: P2.2 U1.53 | length 1119.1
  Top Layer w5: v1(2430,1985) 2473.11,2028.11 U1.53
  Bottom Layer w5: P2.2 1890,1875 2320,1875 v1(2430,1985)
SPI2_MOSI: P2.1 U1.54 | length 1197.3
  Top Layer w5: v1(2380,1990) 2437.8,2047.8 U1.54
  Bottom Layer w5: P2.1 1775,2090 1775,2020 1905,1890 2280,1890 v1(2380,1990)
SPI2_NSS: P2.4 U1.51 | length 1041.1
  Top Layer w6: v1(2525,1985) 2528.74,1988.74 U1.51
  Bottom Layer w6: P2.4 1715.5,1849.5 2389.5,1849.5 v1(2525,1985)
SPI2_SCLK: P2.3 U1.52 | length 1082
  Top Layer w5: v1(2480,1985) 2503.43,2008.43 U1.52
  Bottom Layer w5: P2.3 1805,1860 2355,1860 v1(2480,1985)
SPI3_MISO: U1.90
SPI3_MOSI: U1.91
SPI3_SCLK/TRACESWO: U1.89
SPI3_SSEL: U1.77
SWCLK: U1.76
SWDIO: U1.72
TIM4_CH1: P1.6 U1.59 | length 662.2
  Top Layer w6: U1.59 2778.78,2146.22 v1(2810,2115)
  Bottom Layer w6: v1(2810,2115) 2855,2070 2855,1780 P1.6
TIM4_CH2: P1.5 U1.60 | length 588
  Top Layer w6: U1.60 2789.09,2165.91 v1(2805,2150)
  Bottom Layer w6: v1(2805,2150) 2870,2085 2870,1865 P1.5
TIM4_CH3: P1.4 U1.61 | length 516.6
  Top Layer w6: U1.61 2804.41,2185.59 v1(2805,2185)
  Bottom Layer w6: v1(2805,2185) 2885,2105 2885,1950 P1.4
UART2_RX: U1.87
UART2_TX: U1.86
VBUS: D1.1 fuse1.2 U1.68 | length 1163.1
  Top Layer w6: U1.68 2703.39,2323.39 2720,2340 v1(2775,2340)
  Top Layer w30: D1.1 2440.94,1755.06 fuse1.2
  Bottom Layer w6: v1(2475,1755) 2780,1755 2840,1815 2840,2055 2775,2120 v1(2775,2340)
pads on no net: J1.0 U1.2 U1.7 U1.8 U1.9 U1.18 U1.22 U1.23 U1.24 U1.25 U1.31 U1.32 U1.33 U1.34 U1.35 U1.36 U1.37 U1.38 U1.39 U1.40 U1.41 U1.42 U1.43 U1.44 U1.45 U1.57 U1.58 U1.62 U2.0 U2.1 U2.2 U2.24 USB1.0 USB1.4
copper on no net:
  other v2: 1720,2990 2880,2990 1665,3015 1775,3015 2825,3015 2935,3015 1640,3070 1800,3070 2800,3070 2960,3070 1665,3125 1775,3125 2825,3125 2935,3125 1720,3150 2880,3150

## Polygon pours and split planes (outlines as drawn)
GND on Top Layer "Bottom Layer-No Net" (solid, pour order 8): 1705,3190 1650,3190 1630,3190 1620,3180 1615,3180 1605,3170 1600,3165 1600,3155 1600,3120 1600,1490 1600,1475 1605,1470 1610,1465 1610,1455 1615,1455 1620,1450 1630,1440 1640,1440 1650,1440 2950,1440 2970,1440 2980,1450 2990,1460 3000,1470 3000,1490 3000,3140 3000,3155 3000,3160 2995,3165 2990,3170 2990,3175 2985,3175 2980,3180 2970,3190 2950,3190 1705,3190
NetC11_1 on Top Layer "Bottom Layer-No Net" (solid, pour order 0): 2050,2095 1915,2095 1915,2065 1915,2060 2050,2060 2050,2095
3V3 on Top Layer "Bottom Layer-No Net" (solid, pour order 2): 2085,2490 2085,2595 2010,2595 2010,2530 2050,2490 2085,2490
3V3 on Top Layer "Bottom Layer-No Net" (solid, pour order 4): 2685,2455 2575,2455 2575,2570 2685,2570
3V3 on Top Layer "Bottom Layer-No Net" (solid, pour order 6): 2540,1860 2540,1960 2660,1960 2660,1860 2540,1860
GND on Bottom Layer "Bottom Layer-No Net" (solid, pour order 10): 1665,3190 1650,3190 1635,3190 1630,3185 1625,3180 1615,3180 1615,3170 1605,3160 1600,3155 1600,3135 1600,1490 1600,1475 1610,1465 1615,1460 1615,1450 1625,1450 1630,1445 1635,1440 1650,1440 2950,1440 2965,1440 2970,1440 2980,1450 2990,1460 2990,1465 3000,1475 3000,1495 3000,3140 3000,3160 3000,3165 2990,3175 2980,3185 2975,3185 2965,3185 2960,3190 2950,3190 1665,3190

## Keep-outs
Keep-Out Layer:
  the board outline again, w10

## Silkscreen, mask and mechanical layers (free items; w line width, h text height)
Top Overlay:
  text "STM32H743VI" at 1850,3130 h60
  text "OV7725 FPC" at 1855,3070 h60
  text "OpenMV4" at 1855,3010 h60
  text "P0" at 1765,2176.93 h32 r90
  text "JLCJLCJLCJLC" at 2140,2170 h31.5
  text "RST" at 2865,2170 h32 r90
  text "P1" at 1765,2076.93 h32 r90
  text "BOOT" at 2865,2052.5 h30 r90
  text "P2" at 1765,1976.93 h32 r90
  text "SYN" at 2865,1955 h32 r90
  text "P9" at 2865,1880 h32 r90
  text "P3" at 1765,1871.93 h32 r90
  text "P8" at 2865,1780 h32 r90
  text "P4" at 1765,1771.93 h32 r90
  text "P7" at 2865,1685 h32 r90
  text "P5" at 1765,1671.93 h32 r90
  text "P6" at 1765,1576.93 h32 r90
  text "VIN" at 2865,1570 h32 r90
  text "GND" at 2865,1470 h32 r90
  text "3.3V" at 1765,1456.93 h32 r90
Bottom Overlay:
  text "Pin List" at 2970,2900 h30
  text "P0=PB15/MOSI" at 2970,2830 h30
  text "P1=PB14/MISO" at 2970,2785 h30
  text "P2=PB13/SCLK" at 2970,2740 h30
  text "P3=PB12/SS" at 2970,2695 h30
  text "P4=PB10/TXD/SCL" at 2970,2650 h30
  text "P5=PB11/RXD/SDA" at 2970,2605 h30
  text "P6=PA5/ADC/DAC" at 2970,2560 h30
  text "P7=PD12/SERVO1" at 2970,2515 h30
  text "P8=PD13/SERVO2" at 2970,2470 h30
  text "P9=PD14/SERVO3" at 2970,2425 h30
  text "RST" at 2880,2255 h30 r90
  text "P0" at 1765,2220 h32 r90
  text "BOOT" at 2880,2155 h30 r90
  text "P1" at 1765,2120 h32 r90
  text "Max voltage: 5v" at 1825,2060 h32 r90
  text "SYN" at 2880,2030 h30 r90
  text "P2" at 1765,2020 h32 r90
  text "P3" at 1765,1925 h32 r90
  text "P9" at 2880,1915 h30 r90
  text "P4" at 1765,1825 h32 r90
  text "P8" at 2880,1820 h30 r90
  text "P5" at 1765,1725 h32 r90
  text "P7" at 2880,1720 h30 r90
  text "VIN" at 2880,1640 h30 r90
  text "P6" at 1765,1625 h32 r90
  text "3V3" at 1765,1545 h32 r90
  text "GND" at 2880,1540 h30 r90

## Text inside footprints (layer, text, board x,y; h text height)
AMS1117: Top Overlay "3" at 1927,1669 h50 r90; Top Overlay "1" at 1927,1489 h50 r90